# Altium PCB radioboard.PcbDoc (part 5 of 9)
Units mm, origin at the board's own origin, x right, y up, seen from the top; angles counter-clockwise.
Board outline 69.97 x 64.48 mm, 4 copper layers (Top Layer, Signal Layer 1, Signal Layer 2, Bottom Layer), stack 1.56 mm thick; 258 components, 165 nets, 993 pads, 10021 vias.
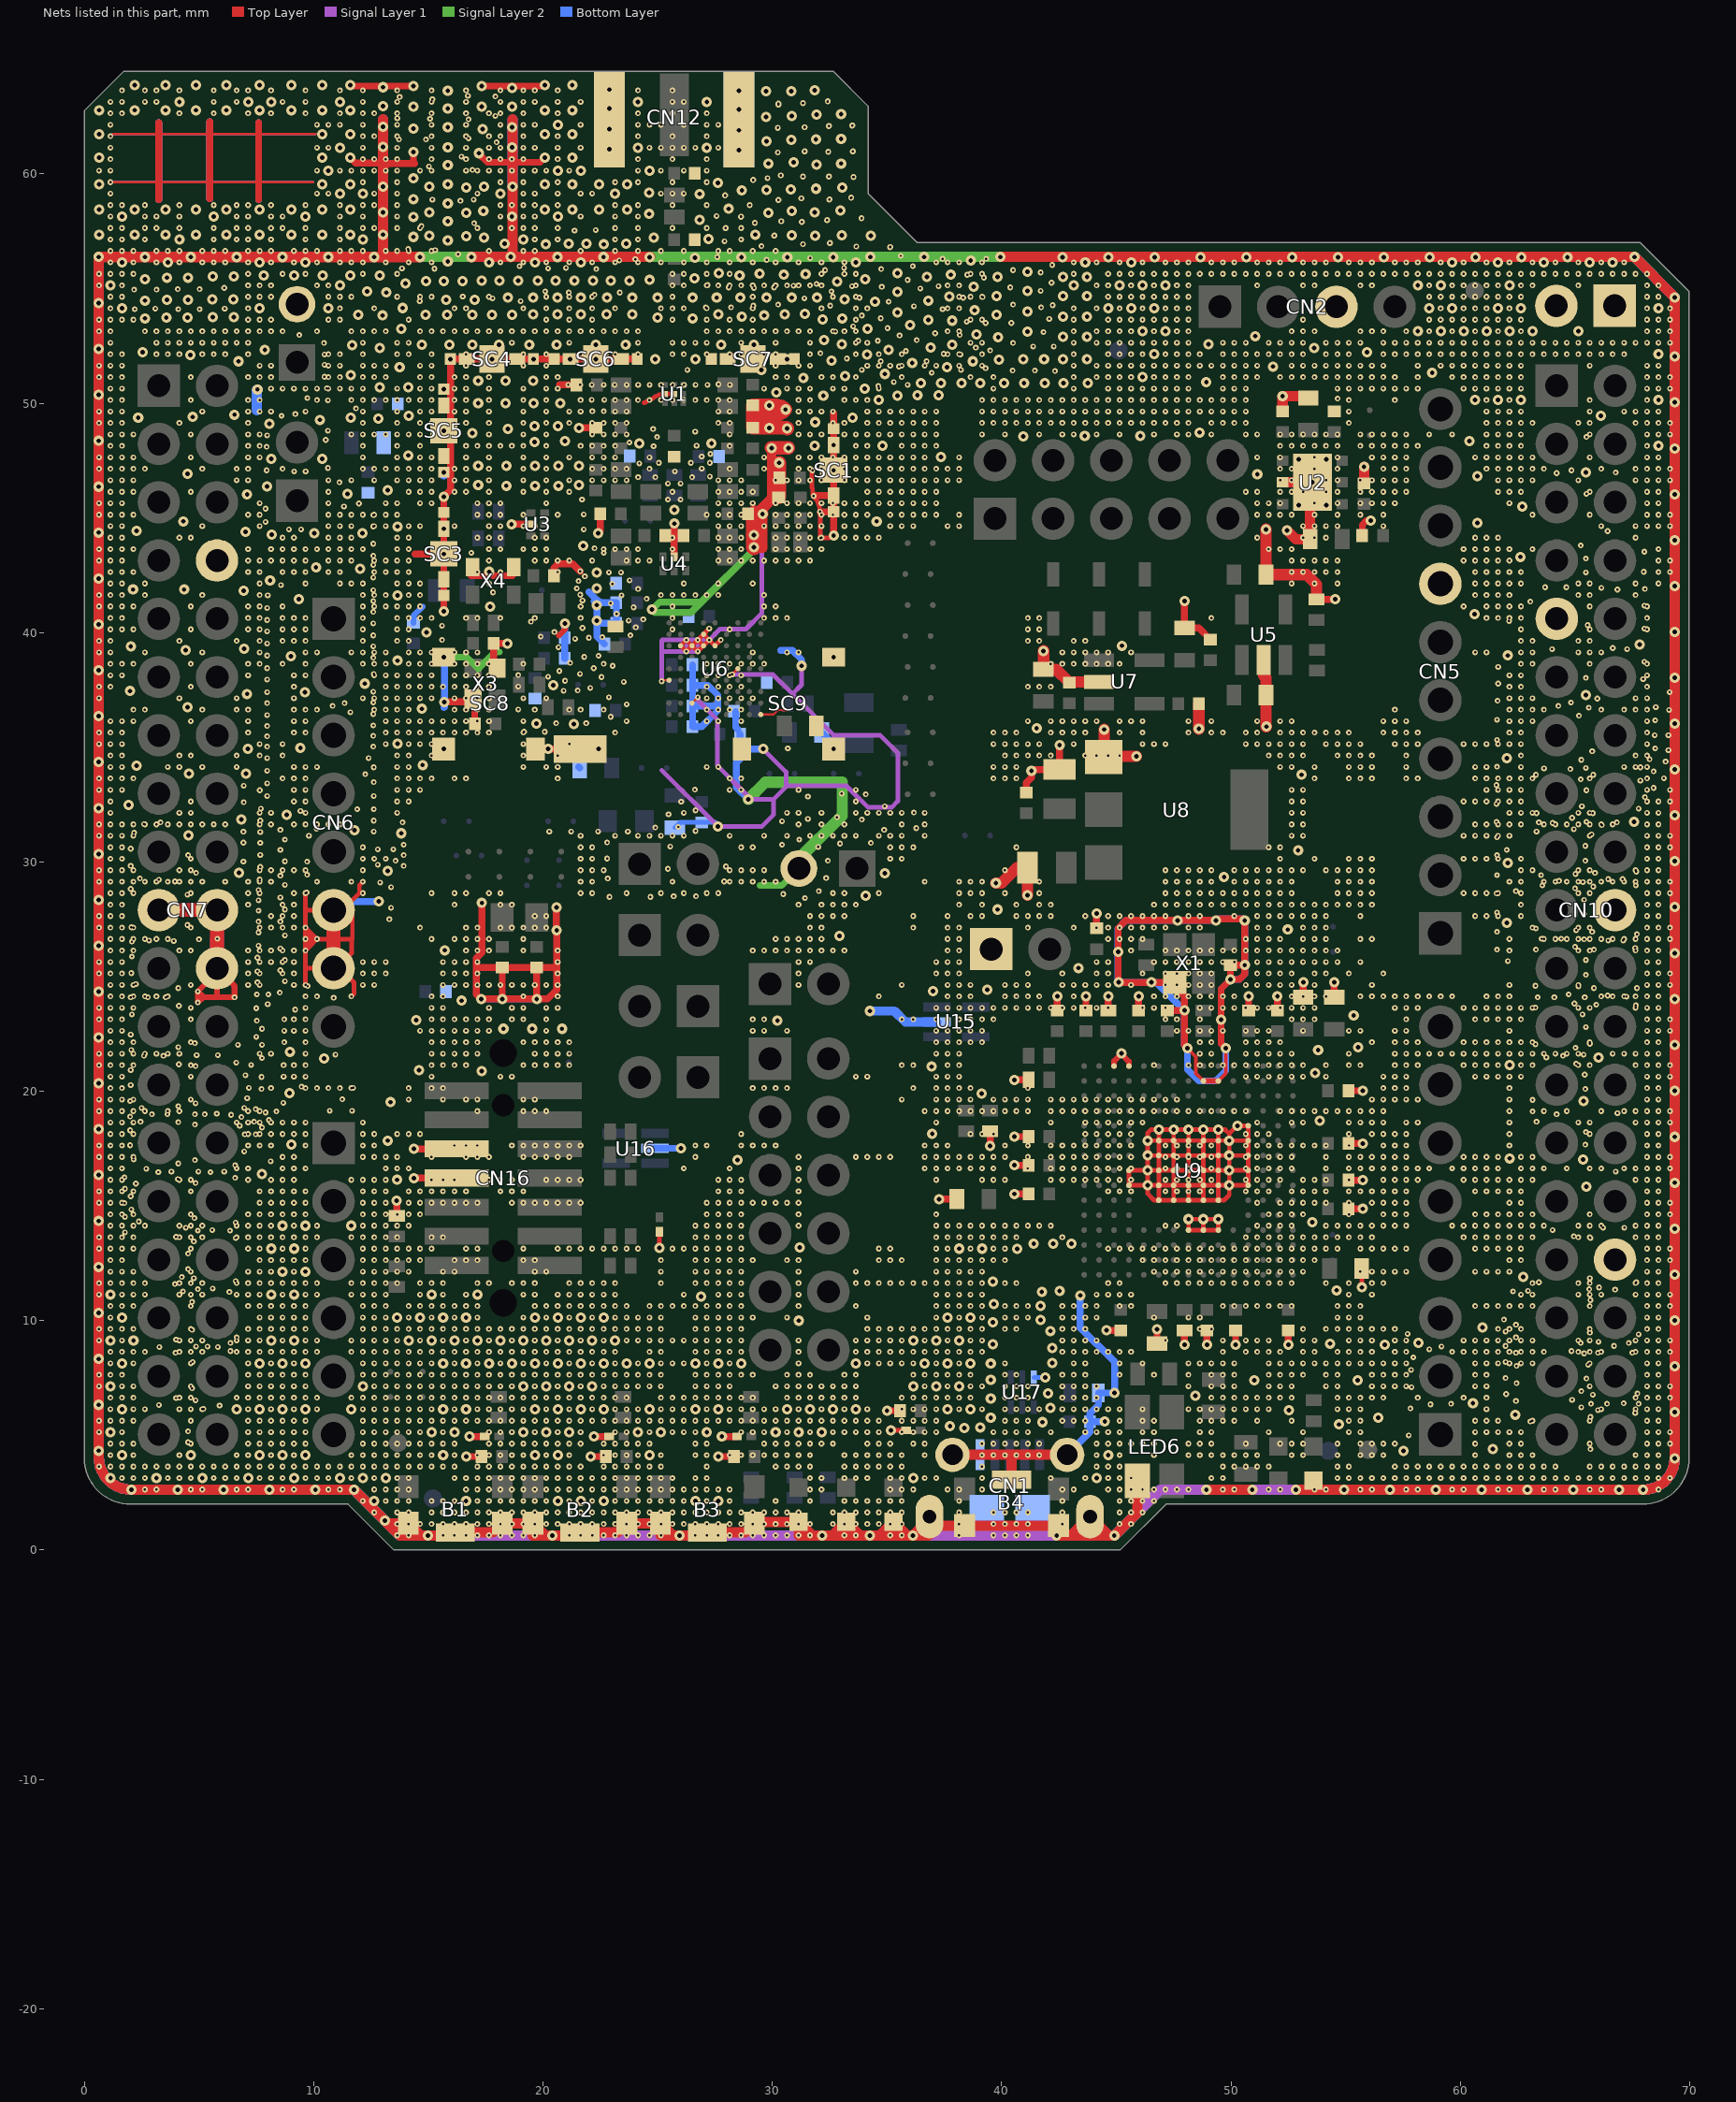
[diagram p7: the nets of this part, all layers, seen from the top]

## Via types
v1: diameter 0.25, hole 0.1, Signal Layer 2 to Bottom Layer, tented bottom, 4578 vias
v2: diameter 0.25, hole 0.1, Top Layer to Signal Layer 1, tented top, 4140 vias
v3: diameter 0.45, hole 0.2, Top Layer to Bottom Layer, tented both sides, 1295 vias
v4: diameter 0.25, hole 0.1, Top Layer to Signal Layer 1, tented both sides, 8 vias

## Nets (pads, with @x,y where several pads share a name; then routed paths per layer and width w, separated by ;. In a path a pad name is that pad's centre, name@x,y a point inside that pad or via, vN(x,y) a via of type N, cw(c..) or ccw(c..) an arc to the next point about the centre after c; other vN are vias at no path point) (continued)
GND: (continued)
  other v1: 31.643,48.638 32.143,48.638 33.143,48.638 33.643,48.638 34.143,48.638 40.143,48.638 41.643,48.638 42.643,48.638 43.143,48.638 44.143,48.638 45.143,48.638 46.643,48.638 47.643,48.638 48.143,48.638 49.143,48.638 50.643,48.638 51.143,48.638 52.143,48.638 52.643,48.638 53.143,48.638 53.643,48.638 54.143,48.638 54.643,48.638 55.643,48.638 56.143,48.638 56.643,48.638 57.143,48.638 57.643,48.638 58.643,48.638 59.643,48.638 65.643,48.638 68.143,48.638 68.643,48.638 69.143,48.638 0.643,49.138 1.143,49.138 1.643,49.138 4.143,49.138 7.143,49.138 13.643,49.138 14.643,49.138 15.143,49.138 16.143,49.138 17.643,49.138 21.143,49.138 22.143,49.138 22.643,49.138 23.143,49.138 23.643,49.138 27.643,49.138 28.143,49.138 31.143,49.138 32.643,49.138 33.143,49.138 35.643,49.138 36.143,49.138 36.643,49.138 37.143,49.138 65.643,49.138 67.643,49.138 68.143,49.138 68.643,49.138 69.143,49.138 0.643,49.638 1.143,49.638 1.643,49.638 5.143,49.638 7.143,49.638 7.643,49.638 8.143,49.638 14.643,49.638 15.143,49.638 16.143,49.638 16.643,49.638 17.643,49.638 19.143,49.638 21.143,49.638 21.643,49.638 22.15,49.65 22.65,49.65 23.143,49.638 23.643,49.638 27.643,49.638 28.143,49.638 31.143,49.638 31.643,49.638 32.143,49.638 32.643,49.638 35.143,49.638 35.643,49.638 36.143,49.638 36.643,49.638 37.143,49.638 67.143,49.638 67.643,49.638 68.143,49.638 68.643,49.638 11.85,49.775 1.143,50.138 1.643,50.138 4.643,50.138 7.143,50.138 7.643,50.138 12.143,50.138 14.643,50.138 15.143,50.138 16.143,50.138 16.643,50.138 17.643,50.138 19.143,50.138 21.643,50.138 23.143,50.138 23.643,50.138 24.143,50.138 24.643,50.138 25.143,50.138 25.643,50.138 26.143,50.138 26.643,50.138 27.143,50.138 27.643,50.138 28.143,50.138 31.143,50.138 31.643,50.138 61.143,50.138 62.143,50.138 68.143,50.138 22.125,50.15 22.675,50.15 1.143,50.638 1.643,50.638 8.143,50.638 8.643,50.638 9.143,50.638 9.643,50.638 10.143,50.638 10.643,50.638 11.143,50.638 13.643,50.638 14.643,50.638 15.143,50.638 16.143,50.638 16.643,50.638 17.643,50.638 19.143,50.638 29.643,50.638 30.643,50.638 31.143,50.638 31.643,50.638 34.643,50.638 39.643,50.638 43.143,50.638 44.643,50.638 45.143,50.638 45.643,50.638 46.143,50.638 46.643,50.638 47.143,50.638 47.643,50.638 48.143,50.638 49.643,50.638 50.143,50.638 50.643,50.638 57.643,50.638 58.143,50.638 60.143,50.638 60.643,50.638 61.143,50.638 61.643,50.638 62.143,50.638 62.643,50.638 68.143,50.638 68.643,50.638 69.143,50.638 21.1,50.8 21.625,50.8 22.125,50.8 22.65,50.8 23.125,50.8 23.65,50.8 24.15,50.8 24.65,50.8 25.15,50.8 25.65,50.8 26.15,50.8 26.65,50.8 27.175,50.8 28.15,50.8 27.65,50.825 0.643,51.138 1.143,51.138 1.643,51.138 4.643,51.138 7.143,51.138 7.643,51.138 8.143,51.138 10.643,51.138 11.143,51.138 13.143,51.138 14.643,51.138 15.143,51.138 16.143,51.138 16.643,51.138 17.643,51.138 30.143,51.138 30.643,51.138 33.643,51.138 35.643,51.138 38.643,51.138 39.643,51.138 43.143,51.138 44.143,51.138 44.643,51.138 45.143,51.138 45.643,51.138 46.643,51.138 47.143,51.138 47.643,51.138 48.143,51.138 49.643,51.138 50.143,51.138 50.643,51.138 51.143,51.138 58.143,51.138 59.643,51.138 60.143,51.138 60.643,51.138 61.143,51.138 61.643,51.138 62.143,51.138 62.643,51.138 68.143,51.138 68.643,51.138 69.143,51.138 0.643,51.638 1.143,51.638 1.643,51.638 7.643,51.638 8.143,51.638 10.643,51.638 11.143,51.638 12.143,51.638 14.643,51.638 15.143,51.638 16.643,51.638 19.143,51.638 20.143,51.638 30.143,51.638 31.143,51.638 34.143,51.638 34.643,51.638 35.143,51.638 35.643,51.638 36.643,51.638 37.143,51.638 38.143,51.638 39.143,51.638 43.143,51.638 44.143,51.638 46.143,51.638 46.643,51.638 47.143,51.638 47.643,51.638 48.143,51.638 48.643,51.638 49.143,51.638 49.643,51.638 50.143,51.638 50.643,51.638 51.143,51.638 52.643,51.638 54.143,51.638 54.643,51.638 55.143,51.638 55.643,51.638 56.143,51.638 56.643,51.638 68.143,51.638 68.643,51.638 1.143,52.138 1.643,52.138 3.143,52.138 3.643,52.138 4.143,52.138 5.143,52.138 5.643,52.138 6.143,52.138 7.143,52.138 10.643,52.138 11.143,52.138 12.143,52.138 14.143,52.138 15.143,52.138 16.643,52.138 19.143,52.138 20.143,52.138 21.643,52.138 23.143,52.138 24.143,52.138 25.643,52.138 26.143,52.138 27.143,52.138 28.143,52.138 28.643,52.138 29.643,52.138 30.143,52.138 33.643,52.138 34.643,52.138 35.643,52.138 37.643,52.138 38.143,52.138 39.143,52.138 43.143,52.138 46.143,52.138 47.143,52.138 47.643,52.138 48.143,52.138 48.643,52.138 49.643,52.138 54.143,52.138 54.643,52.138 55.143,52.138 56.643,52.138 57.143,52.138 1.143,52.638 12.143,52.638 18.643,52.638 21.143,52.638 24.143,52.638 25.643,52.638 26.143,52.638 26.643,52.638 27.143,52.638 28.643,52.638 30.143,52.638 33.643,52.638 34.143,52.638 38.643,52.638 39.143,52.638 43.143,52.638 46.143,52.638 46.643,52.638 47.143,52.638 47.643,52.638 48.143,52.638 53.143,52.638 54.143,52.638 54.643,52.638 55.143,52.638 55.643,52.638 56.643,52.638 57.143,52.638 57.643,52.638 58.143,52.638 58.643,52.638 59.143,52.638 59.643,52.638 60.143,52.638 60.643,52.638 61.143,52.638 61.643,52.638 62.143,52.638 62.643,52.638 63.143,52.638 63.643,52.638 64.143,52.638 64.643,52.638 65.143,52.638 65.643,52.638 66.143,52.638 66.643,52.638 67.143,52.638 67.643,52.638 68.143,52.638 68.643,52.638 69.143,52.638 0.643,53.138 1.143,53.138 11.643,53.138 12.143,53.138 12.643,53.138 13.143,53.138 31.643,53.138 32.643,53.138 33.143,53.138 33.643,53.138 37.643,53.138 38.143,53.138 43.143,53.138 44.143,53.138 46.643,53.138 47.643,53.138 48.143,53.138 52.643,53.138 53.143,53.138 53.643,53.138 55.643,53.138 56.143,53.138 56.643,53.138 57.643,53.138 58.643,53.138 59.643,53.138 60.643,53.138 61.643,53.138 62.643,53.138 68.143,53.138 68.643,53.138 69.143,53.138 0.643,53.638 1.143,53.638 1.643,53.638 2.143,53.638 7.143,53.638 7.643,53.638 8.143,53.638 10.643,53.638 11.143,53.638 14.143,53.638 20.143,53.638 21.143,53.638 22.143,53.638 25.643,53.638 27.143,53.638 28.143,53.638 29.143,53.638 33.643,53.638 38.643,53.638 39.143,53.638 43.143,53.638 44.643,53.638 45.143,53.638 45.643,53.638 46.143,53.638 46.643,53.638 47.143,53.638 47.643,53.638 48.143,53.638 53.143,53.638 58.643,53.638 59.143,53.638 59.643,53.638 60.143,53.638 60.643,53.638 61.143,53.638 61.643,53.638 62.143,53.638 62.643,53.638 68.143,53.638 68.643,53.638 69.143,53.638 1.143,54.138 7.143,54.138 11.143,54.138 12.643,54.138 16.143,54.138 16.643,54.138 19.143,54.138 20.143,54.138 21.143,54.138 22.143,54.138 23.143,54.138 25.143,54.138 25.643,54.138 26.143,54.138 27.143,54.138 29.143,54.138 32.143,54.138 33.643,54.138 34.143,54.138 37.643,54.138 38.143,54.138 43.143,54.138 44.143,54.138 45.143,54.138 46.143,54.138 47.143,54.138 47.643,54.138 48.143,54.138 59.143,54.138 60.143,54.138 60.643,54.138 61.143,54.138 62.143,54.138 68.143,54.138 69.143,54.138 1.143,54.638 1.643,54.638 7.143,54.638 7.643,54.638 8.143,54.638 10.643,54.638 11.143,54.638 11.643,54.638 13.643,54.638 14.643,54.638 15.143,54.638 17.643,54.638 20.143,54.638 21.143,54.638 22.143,54.638 25.643,54.638 29.143,54.638 32.643,54.638 33.643,54.638 38.143,54.638 38.643,54.638 39.143,54.638 44.643,54.638 45.143,54.638 45.643,54.638 46.143,54.638 46.643,54.638 47.143,54.638 47.643,54.638 48.143,54.638 58.643,54.638 59.143,54.638 59.643,54.638 60.143,54.638 60.643,54.638 61.143,54.638 61.643,54.638 62.143,54.638 62.643,54.638 68.143,54.638 68.643,54.638 0.643,55.138 1.643,55.138 7.143,55.138 7.643,55.138 8.143,55.138 10.143,55.138 10.643,55.138 25.643,55.138 26.143,55.138 27.143,55.138 27.643,55.138 28.143,55.138 28.643,55.138 29.143,55.138 29.643,55.138 30.143,55.138 30.643,55.138 31.143,55.138 31.643,55.138 32.143,55.138 33.643,55.138 37.643,55.138 38.143,55.138 44.143,55.138 44.643,55.138 45.643,55.138 46.643,55.138 47.643,55.138 48.143,55.138 51.143,55.138 53.143,55.138 53.643,55.138 55.643,55.138 56.143,55.138 58.643,55.138 59.643,55.138 60.143,55.138 60.643,55.138 61.143,55.138 61.643,55.138 62.643,55.138 63.143,55.138 65.143,55.138 68.143,55.138 68.643,55.138 0.643,55.638 1.143,55.638 1.643,55.638 2.143,55.638 7.143,55.638 8.643,55.638 9.643,55.638 12.143,55.638 13.643,55.638 25.643,55.638 26.143,55.638 27.143,55.638 28.143,55.638 32.143,55.638 33.143,55.638 33.643,55.638 38.643,55.638 39.143,55.638 43.143,55.638 44.643,55.638 45.143,55.638 45.643,55.638 46.143,55.638 46.643,55.638 47.143,55.638 47.643,55.638 48.143,55.638 48.643,55.638 49.143,55.638 49.643,55.638 50.143,55.638 50.643,55.638 51.143,55.638 51.643,55.638 52.143,55.638 52.643,55.638 53.143,55.638 53.643,55.638 54.143,55.638 54.643,55.638 55.143,55.638 55.643,55.638 56.143,55.638 56.643,55.638 57.143,55.638 57.643,55.638 58.143,55.638 58.643,55.638 59.143,55.638 59.643,55.638 60.143,55.638 60.643,55.638 61.143,55.638 61.643,55.638 62.143,55.638 62.643,55.638 63.143,55.638 63.643,55.638 64.143,55.638 64.643,55.638 65.143,55.638 65.643,55.638 66.143,55.638 66.643,55.638 67.143,55.638 67.643,55.638 68.143,55.638 1.143,56.138 2.143,56.138 3.143,56.138 4.143,56.138 5.143,56.138 5.643,56.138 6.143,56.138 7.143,56.138 8.143,56.138 9.143,56.138 10.143,56.138 11.143,56.138 11.643,56.138 12.143,56.138 13.143,56.138 14.143,56.138 15.143,56.138 18.143,56.138 19.143,56.138 20.143,56.138 21.143,56.138 22.143,56.138 23.143,56.138 24.143,56.138 25.143,56.138 26.143,56.138 27.143,56.138 28.143,56.138 29.143,56.138 30.143,56.138 31.143,56.138 32.143,56.138 33.143,56.138 37.143,56.138 37.643,56.138 38.143,56.138 39.143,56.138 43.143,56.138 44.143,56.138 45.143,56.138 46.143,56.138 47.143,56.138 47.643,56.138 48.143,56.138 49.143,56.138 49.643,56.138 50.143,56.138 51.143,56.138 51.643,56.138 52.143,56.138 53.143,56.138 53.643,56.138 54.143,56.138 55.143,56.138 55.643,56.138 56.143,56.138 57.143,56.138 57.643,56.138 58.143,56.138 59.143,56.138 60.143,56.138 61.143,56.138 62.143,56.138 63.143,56.138 64.143,56.138 65.143,56.138 66.143,56.138 67.143,56.138 1.143,56.638 1.643,56.638 2.143,56.638 3.143,56.638 3.643,56.638 4.143,56.638 5.143,56.638 5.643,56.638 6.143,56.638 7.143,56.638 7.643,56.638 8.143,56.638 9.143,56.638 9.643,56.638 10.143,56.638 11.143,56.638 11.643,56.638 12.143,56.638 13.143,56.638 13.643,56.638 14.143,56.638 15.143,56.638 17.643,56.638 19.143,56.638 19.643,56.638 21.643,56.638 23.143,56.638 24.143,56.638 25.143,56.638 26.143,56.638 27.643,56.638 28.143,56.638 29.143,56.638 30.143,56.638 35.143,56.813 33.668,56.838 31.343,56.938 32.518,56.988 1.143,57.138 1.643,57.138 2.643,57.138 5.643,57.138 6.643,57.138 7.143,57.138 8.143,57.138 9.643,57.138 11.143,57.138 19.643,57.138 20.643,57.138 23.143,57.138 24.143,57.138 28.643,57.138 30.093,57.313 1.143,57.638 1.643,57.638 2.643,57.638 3.143,57.638 4.143,57.638 5.643,57.638 6.643,57.638 7.143,57.638 8.143,57.638 8.643,57.638 9.643,57.638 11.143,57.638 12.143,57.638 12.643,57.638 13.643,57.638 14.643,57.638 17.143,57.638 18.143,57.638 18.643,57.638 19.143,57.638 19.643,57.638 20.643,57.638 23.143,57.638 24.143,57.638 25.643,57.638 27.143,57.638 27.968,57.638 28.643,57.638 29.243,57.863 31.293,57.913 30.393,57.938 32.393,57.988 33.893,58.063 1.143,58.138 2.643,58.138 3.143,58.138 4.143,58.138 6.643,58.138 7.143,58.138 8.143,58.138 8.643,58.138 11.143,58.138 12.143,58.138 13.643,58.138 18.143,58.138 19.143,58.138 19.643,58.138 21.643,58.138 23.143,58.138 24.143,58.138 28.643,58.138 1.143,58.638 1.643,58.638 2.643,58.638 4.143,58.638 5.643,58.638 6.643,58.638 7.143,58.638 8.143,58.638 9.643,58.638 11.143,58.638 12.143,58.638 12.643,58.638 13.643,58.638 18.143,58.638 18.643,58.638 19.143,58.638 19.643,58.638 20.643,58.638 23.143,58.638 24.143,58.638 25.643,58.638 27.143,58.638 29.018,58.638 30.268,58.863 32.493,58.888 31.268,58.938 33.443,58.963 27.943,59.063 1.143,59.138 10.143,59.138 10.643,59.138 12.643,59.138 13.643,59.138 17.143,59.138 19.143,59.138 19.643,59.138 20.643,59.138 21.643,59.138 22.143,59.138 25.143,59.138 25.643,59.138 26.143,59.138 12.143,59.638 13.643,59.638 18.143,59.638 19.143,59.638 20.643,59.638 23.143,59.638 24.143,59.638 25.643,59.638 27.143,59.638 29.168,59.738 33.543,59.863 31.343,59.888 32.468,59.888 30.368,59.938 0.643,60.138 1.143,60.138 10.143,60.138 11.143,60.138 11.643,60.138 12.143,60.138 12.643,60.138 13.143,60.138 13.643,60.138 14.643,60.138 15.143,60.138 16.643,60.138 17.143,60.138 17.643,60.138 18.143,60.138 18.643,60.138 19.143,60.138 19.643,60.138 20.143,60.138 21.143,60.138 24.143,60.138 25.143,60.138 26.143,60.138 27.143,60.138 1.143,60.638 12.143,60.638 12.643,60.638 13.143,60.638 13.643,60.638 15.143,60.638 16.643,60.638 17.643,60.638 18.143,60.638 18.643,60.638 19.143,60.638 20.643,60.638 24.143,60.638 25.643,60.638 27.143,60.638 30.243,60.938 32.443,60.963 31.418,60.988 33.518,60.988 1.143,61.138 10.143,61.138 10.643,61.138 12.143,61.138 13.643,61.138 15.143,61.138 16.643,61.138 17.643,61.138 18.143,61.138 19.143,61.138 19.643,61.138 20.643,61.138 21.643,61.138 24.643,61.138 25.143,61.138 25.643,61.138 26.143,61.138 26.643,61.138 27.643,61.138 12.143,61.638 12.643,61.638 13.643,61.638 15.143,61.638 16.643,61.638 17.643,61.638 18.143,61.638 19.143,61.638 20.643,61.638 24.143,61.638 25.643,61.638 27.143,61.638 30.243,62.013 31.418,62.038 32.468,62.088 33.493,62.113 1.143,62.138 10.143,62.138 10.643,62.138 11.143,62.138 12.143,62.138 13.643,62.138 15.143,62.138 16.643,62.138 18.143,62.138 19.143,62.138 19.643,62.138 21.643,62.138 24.143,62.138 24.643,62.138 25.143,62.138 26.143,62.138 27.143,62.138 27.643,62.138 1.143,62.638 1.643,62.638 4.143,62.638 5.643,62.638 7.143,62.638 8.143,62.638 9.643,62.638 11.143,62.638 12.143,62.638 12.643,62.638 13.643,62.638 15.143,62.638 16.643,62.638 17.643,62.638 18.143,62.638 19.143,62.638 20.643,62.638 24.143,62.638 25.643,62.638 27.143,62.638 30.268,63.063 31.343,63.088 1.143,63.138 1.643,63.138 2.643,63.138 3.143,63.138 5.643,63.138 6.643,63.138 8.643,63.138 9.643,63.138 12.143,63.138 13.643,63.138 15.143,63.138 16.643,63.138 18.143,63.138 19.143,63.138 19.643,63.138 20.643,63.138 21.643,63.138 25.643,63.138 26.143,63.138 32.418,63.163 1.643,63.638 2.643,63.638 3.143,63.638 4.143,63.638 5.643,63.638 6.643,63.638 7.143,63.638 8.143,63.638 9.643,63.638 11.143,63.638 12.143,63.638 13.643,63.638 15.143,63.638 16.643,63.638 18.143,63.638 19.143,63.638 19.643,63.638 20.643,63.638 24.143,63.638 25.643,63.638